# KiCad board OBC-Flight.kicad_pcb (continued)
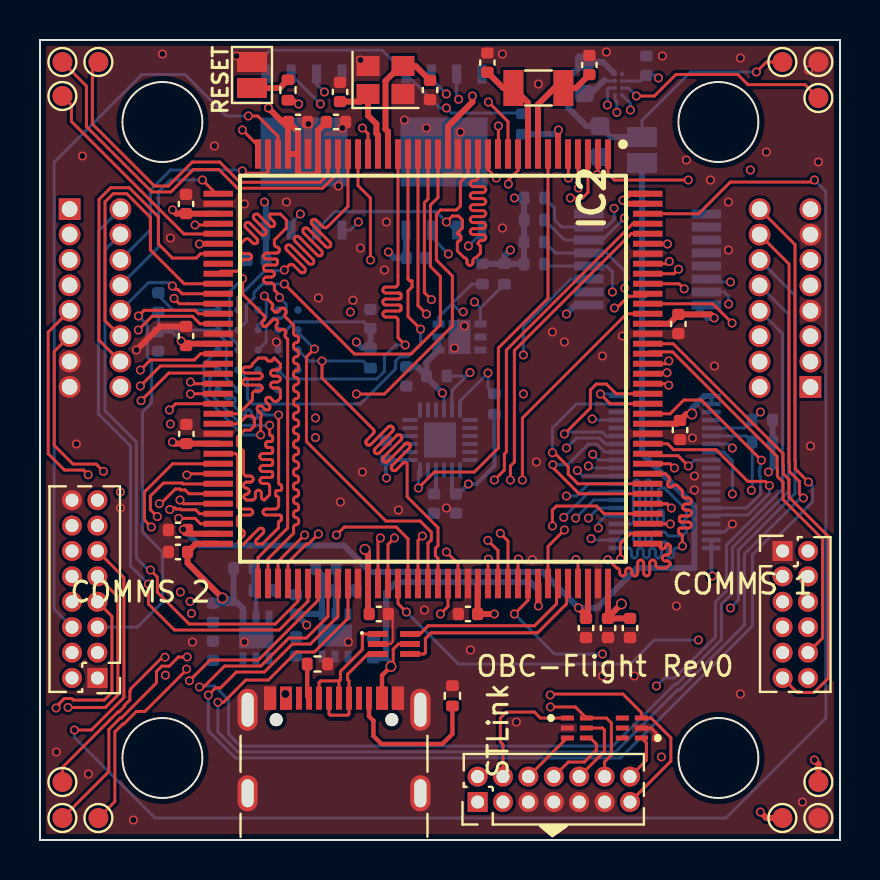
[diagram p0: board, top side]
## Routing (per net, layer and track width the routed paths; a pad name or vN(x,y) marks a point on that pad's centre or on a via; arc(x,y) is an arc through that point) (continued)
OCTOSPI_P1_NCS: length 27.3
  Top w0.15: IC2.91 19.9,14.08 19.77,14.21 19.77,14.59 19.9,14.72 19.9,15.62 18.36,17.16 18.36,18.81 18.28,18.88 18.22,18.88 18.17,18.86 18.15,18.84 17.82,18.51 17.8,18.49 17.74,18.47 17.68,18.47 17.63,18.49 17.61,18.51 17.59,18.53 17.56,18.59 17.56,18.65 17.59,18.7 17.61,18.72 18.47,19.59 18.49,19.61 18.52,19.67 18.52,19.73 18.49,19.78 18.47,19.8 18.45,19.82 18.4,19.84 18.34,19.84 18.28,19.82 18.26,19.8 17.39,18.94 17.37,18.92 17.32,18.89 17.26,18.89 17.2,18.92 17.18,18.94 17.16,18.96 17.14,19.01 17.14,19.07 17.16,19.13 17.18,19.15 18.05,20.01 18.07,20.04 18.09,20.09 18.09,20.15 18.07,20.2 18.05,20.23 18.03,20.25 17.97,20.27 17.91,20.27 17.86,20.25 17.84,20.23 16.97,19.36 16.95,19.34 16.89,19.32 16.83,19.32 16.78,19.34 16.76,19.36 16.74,19.38 16.71,19.44 16.71,19.5 16.74,19.55 16.76,19.57 17.62,20.44 17.64,20.46 17.67,20.51 17.67,20.57 17.64,20.63 17.62,20.65 17.6,20.67 17.55,20.69 17.49,20.69 17.43,20.67 17.41,20.65 16.55,19.78 16.52,19.76 16.47,19.74 16.41,19.74 16.36,19.76 16.33,19.78 16.31,19.81 16.29,19.86 16.29,19.92 16.31,19.97 16.33,20 16.66,20.32 16.68,20.34 16.7,20.4 16.7,20.46 16.68,20.51 16.66,20.54 14.1,23.1 v1(14.1,23.95)
  Bottom w0.15: IC6.A3 13.45,23.95 v1(14.1,23.95) 16.16,23.95 R19.2
OCTOSPI_P2_CLK: length 23.9
  Top w0.15: v1(20.32,30.9) 20.62,31.2 20.92,31.2 21.12,31 21.12,30.6 20.87,30.35 arc(20.89,30.28) 20.96,30.26 arc(21.02,30.23) 21.05,30.17 21.05,30.05 arc(21.02,29.98) 20.96,29.96 arc(20.89,29.93) 20.87,29.87 20.87,29.45 21.2,29.12 arc(21.31,29.08) 21.35,28.97 21.35,28.88 arc(21.39,28.77) 21.5,28.73 arc(21.61,28.77) 21.65,28.88 21.65,28.97 arc(21.69,29.08) 21.8,29.12 22.02,29.34 22.02,29.7 21.9,29.82 arc(21.94,29.93) 22.05,29.97 22.14,29.97 arc(22.25,30.01) 22.29,30.12 arc(22.25,30.23) 22.14,30.27 21.66,30.27 arc(21.55,30.31) 21.51,30.42 arc(21.55,30.53) 21.66,30.57 22.14,30.57 arc(22.25,30.61) 22.29,30.72 arc(22.25,30.83) 22.14,30.87 21.66,30.87 arc(21.55,30.91) 21.51,31.02 arc(21.55,31.13) 21.66,31.17 22.14,31.17 arc(22.25,31.21) 22.29,31.32 arc(22.25,31.43) 22.14,31.47 21.66,31.47 arc(21.55,31.51) 21.51,31.62 arc(21.55,31.73) 21.66,31.77 22.14,31.77 arc(22.25,31.81) 22.29,31.92 arc(22.25,32.03) 22.14,32.07 21.66,32.07 arc(21.55,32.11) 21.51,32.22 arc(21.55,32.33) 21.66,32.37 22.14,32.37 arc(22.25,32.41) 22.29,32.52 arc(22.25,32.63) 22.14,32.67 21.66,32.67 arc(21.55,32.71) 21.51,32.82 arc(21.55,32.93) 21.66,32.97 21.75,32.97 arc(21.86,33.01) 21.9,33.12 IC2.14
  Bottom w0.15: IC5.6 20.72,30.5 v1(20.32,30.9) 19.8,31.41 14.74,31.41 IC7.6
OCTOSPI_P2_IO0: length 15.8
  Top w0.15: IC2.10 23.9,33.48 23.42,33 v1(23.42,32.8)
  In3.Cu w0.15: v1(15.92,30.9) 16.32,31.3 arc(16.43,31.34) 16.53,31.3 16.65,31.18 arc(16.76,31.14) 16.86,31.18 arc(16.91,31.29) 16.86,31.39 16.74,31.51 arc(16.7,31.62) 16.74,31.72 arc(16.85,31.77) 16.96,31.72 17.08,31.6 arc(17.18,31.56) 17.29,31.6 arc(17.33,31.71) 17.29,31.82 17.17,31.94 arc(17.12,32.04) 17.17,32.15 17.52,32.5 arc(17.63,32.46) 17.67,32.35 17.67,32.18 arc(17.71,32.07) 17.82,32.03 arc(17.93,32.07) 17.97,32.18 17.97,32.35 arc(18.01,32.46) 18.12,32.5 arc(18.23,32.46) 18.27,32.35 18.27,32.18 arc(18.31,32.07) 18.42,32.03 arc(18.53,32.07) 18.57,32.18 18.57,32.35 arc(18.61,32.46) 18.72,32.5 arc(18.83,32.46) 18.87,32.35 18.87,32.18 arc(18.91,32.07) 19.02,32.03 arc(19.13,32.07) 19.17,32.18 19.17,32.35 arc(19.21,32.46) 19.32,32.5 arc(19.43,32.46) 19.47,32.35 19.47,32.18 arc(19.51,32.07) 19.62,32.03 arc(19.73,32.07) 19.77,32.18 19.77,32.35 arc(19.81,32.46) 19.92,32.5 arc(20.03,32.46) 20.07,32.35 20.07,32.18 arc(20.11,32.07) 20.22,32.03 arc(20.33,32.07) 20.37,32.18 20.37,32.35 arc(20.41,32.46) 20.52,32.5 23.12,32.5 v1(23.42,32.8)
  Bottom w0.15: IC7.5 15.52,30.5 v1(15.92,30.9)
OCTOSPI_P2_IO1: length 15.8
  Top w0.15: IC2.11 23.4,35.92 v1(22.42,36.9)
  In3.Cu w0.15: v1(22.42,36.9) 22.42,37.2 21.52,38.1 19.72,38.1 18.42,36.8 15.71,36.8 arc(15.61,36.84) 15.57,36.94 arc(15.53,37.04) 15.43,37.08 15.41,37.08 arc(15.31,37.04) 15.27,36.94 15.27,36.71 arc(15.24,36.64) 15.18,36.62 15.06,36.62 arc(15,36.64) 14.97,36.71 14.97,36.94 arc(14.93,37.04) 14.83,37.08 14.8,37.08 arc(14.7,37.04) 14.66,36.94 arc(14.62,36.84) 14.52,36.8 v1(14.02,36.8)
  Bottom w0.15: IC7.2 12.56,38.26 v1(14.02,36.8)
OCTOSPI_P2_IO2: length 15.8
  Top w0.15: v1(22.92,35.7) 22.92,34.32 IC2.12
  In3.Cu w0.15: v1(22.92,35.7) 22.92,37.2 21.72,38.4 19.52,38.4 18.52,37.4 17.87,37.4 arc(17.78,37.36) 17.74,37.28 arc(17.71,37.19) 17.62,37.16 17.57,37.16 arc(17.48,37.19) 17.45,37.28 17.45,37.52 arc(17.41,37.61) 17.32,37.64 17.27,37.64 arc(17.18,37.61) 17.15,37.52 17.15,37.28 arc(17.11,37.19) 17.02,37.16 16.97,37.16 arc(16.88,37.19) 16.84,37.28 16.84,37.52 arc(16.81,37.61) 16.72,37.64 16.67,37.64 arc(16.58,37.61) 16.55,37.52 16.55,37.28 arc(16.51,37.19) 16.42,37.16 16.37,37.16 arc(16.28,37.19) 16.24,37.28 16.24,37.52 arc(16.21,37.61) 16.12,37.64 16.06,37.64 arc(15.98,37.61) 15.94,37.52 arc(15.91,37.44) 15.82,37.4 v1(14.22,37.4)
  Bottom w0.15: v1(14.22,37.4) 13.83,37.79 IC7.3
OCTOSPI_P2_IO3: length 15.7
  Top w0.15: v1(22.82,33.1) 22.4,33.52 IC2.13
  In3.Cu w0.15: v1(22.82,33.1) 22.52,32.8 20.67,32.8 arc(20.62,32.82) 20.59,32.88 arc(20.57,32.93) 20.52,32.95 20.37,32.95 arc(20.32,32.93) 20.3,32.88 arc(20.27,32.82) 20.22,32.8 20.07,32.8 arc(20.02,32.82) 19.99,32.88 arc(19.97,32.93) 19.92,32.95 19.77,32.95 arc(19.72,32.93) 19.7,32.88 arc(19.67,32.82) 19.62,32.8 19.47,32.8 arc(19.42,32.82) 19.4,32.88 arc(19.37,32.93) 19.32,32.95 19.17,32.95 arc(19.12,32.93) 19.09,32.88 arc(19.07,32.82) 19.02,32.8 18.87,32.8 arc(18.82,32.82) 18.8,32.88 arc(18.77,32.93) 18.72,32.95 18.57,32.95 arc(18.52,32.93) 18.49,32.88 arc(18.47,32.82) 18.42,32.8 18.27,32.8 arc(18.22,32.82) 18.2,32.88 arc(18.17,32.93) 18.12,32.95 17.97,32.95 arc(17.92,32.93) 17.9,32.88 arc(17.87,32.82) 17.82,32.8 17.67,32.8 arc(17.62,32.82) 17.59,32.88 arc(17.57,32.93) 17.52,32.95 17.37,32.95 arc(17.32,32.93) 17.3,32.88 arc(17.27,32.82) 17.22,32.8 16.73,32.31 arc(16.68,32.29) 16.63,32.31 arc(16.57,32.34) 16.52,32.31 16.41,32.21 arc(16.39,32.15) 16.41,32.1 arc(16.44,32.05) 16.41,31.99 15.92,31.5 15.67,31.5 arc(15.62,31.52) 15.59,31.57 arc(15.57,31.63) 15.52,31.65 15.37,31.65 arc(15.32,31.63) 15.3,31.57 15.3,31.42 arc(15.27,31.37) 15.22,31.35 15.07,31.35 arc(15.02,31.37) 14.99,31.42 14.99,31.57 arc(14.97,31.63) 14.92,31.65 14.77,31.65 arc(14.72,31.63) 14.7,31.57 14.7,31.42 arc(14.67,31.37) 14.62,31.35 14.47,31.35 arc(14.42,31.37) 14.4,31.42 14.4,31.57 arc(14.37,31.63) 14.32,31.65 14.17,31.65 arc(14.12,31.63) 14.09,31.57 14.09,31.42 arc(14.07,31.37) 14.02,31.35 13.87,31.35 arc(13.82,31.37) 13.8,31.42 13.8,31.57 arc(13.77,31.63) 13.72,31.65 13.57,31.65 arc(13.52,31.63) 13.49,31.57 arc(13.47,31.52) 13.42,31.5 13.22,31.5 v1(13.02,31.3)
  Bottom w0.15: IC7.7 12.56,30.84 v1(13.02,31.3)
OCTOSPI_P2_IO4: length 29.1
  Top w0.15: v1(7.52,22.9) 7.61,22.81 IC2.56
  In3.Cu w0.15: v1(21.42,29.7) 20.72,30.4 15.92,30.4 12.75,27.23 arc(12.71,27.13) 12.75,27.02 12.88,26.89 arc(12.93,26.78) 12.88,26.68 arc(12.78,26.63) 12.67,26.68 12.54,26.81 arc(12.43,26.85) 12.33,26.81 arc(12.28,26.7) 12.33,26.6 12.46,26.47 arc(12.5,26.36) 12.46,26.25 arc(12.35,26.21) 12.25,26.25 11.85,26.65 arc(11.74,26.7) 11.63,26.65 arc(11.59,26.55) 11.63,26.44 12.03,26.04 arc(12.08,25.94) 12.03,25.83 arc(11.93,25.79) 11.82,25.83 11.35,26.3 arc(11.24,26.35) 11.14,26.3 arc(11.09,26.2) 11.14,26.09 11.27,25.96 arc(11.31,25.85) 11.27,25.75 11.02,25.5 11.02,25.2 arc(11.06,25.09) 11.17,25.05 11.2,25.05 arc(11.31,25.01) 11.35,24.9 arc(11.31,24.79) 11.2,24.75 11.17,24.75 arc(11.06,24.71) 11.02,24.6 arc(11.06,24.49) 11.17,24.45 11.35,24.45 arc(11.46,24.41) 11.5,24.3 arc(11.46,24.19) 11.35,24.15 11.17,24.15 arc(11.06,24.11) 11.02,24 10.77,23.75 arc(10.72,23.64) 10.77,23.54 10.9,23.41 arc(10.94,23.3) 10.9,23.19 arc(10.79,23.15) 10.69,23.19 10.56,23.32 arc(10.45,23.37) 10.34,23.32 arc(10.3,23.22) 10.34,23.11 10.47,22.98 arc(10.52,22.88) 10.47,22.77 arc(10.37,22.73) 10.26,22.77 10.13,22.9 arc(10.03,22.94) 9.92,22.9 9.47,22.9 arc(9.36,22.86) 9.32,22.75 9.32,22.57 arc(9.28,22.46) 9.17,22.42 arc(9.06,22.46) 9.02,22.57 9.02,22.99 arc(8.99,23.05) 8.93,23.08 8.81,23.08 arc(8.75,23.05) 8.72,22.99 8.72,22.57 arc(8.68,22.46) 8.57,22.42 arc(8.46,22.46) 8.42,22.57 8.42,22.99 arc(8.39,23.05) 8.33,23.08 8.2,23.08 arc(8.13,23.05) 8.11,22.99 arc(8.08,22.93) 8.02,22.9 v1(7.52,22.9)
  Bottom w0.15: 22.1,30.5 22.1,30.38 v1(21.42,29.7)
OCTOSPI_P2_IO5: length 29.6
  Top w0.15: v1(7.52,22.3) 7.53,22.31 IC2.57
  In3.Cu w0.15: v1(20.32,37.3) 20.07,37.05 arc(19.96,37.01) 19.86,37.05 19.64,37.27 arc(19.53,37.31) 19.43,37.27 arc(19.38,37.16) 19.43,37.06 19.65,36.84 arc(19.69,36.73) 19.65,36.63 18.12,35.1 12.12,35.1 10.72,33.7 10.72,24.2 9.92,23.4 7.22,23.4 7.02,23.2 7.02,22.6 7.32,22.3 v1(7.52,22.3)
  Bottom w0.15: 19.56,38.3 19.56,38.05 v1(20.32,37.3)
OCTOSPI_P2_IO6: length 29.1
  Top w0.15: IC2.125 31.37,22.81 v1(31.44,22.74)
  In3.Cu w0.15: v1(20.93,37.04) 21.2,36.77 21.2,36.72 arc(21.27,36.69) 21.34,36.72 arc(21.42,36.75) 21.49,36.72 21.55,36.66 arc(21.58,36.58) 21.55,36.51 arc(21.52,36.44) 21.55,36.37 21.62,36.3 arc(21.73,36.26) 21.83,36.3 21.99,36.46 arc(22.1,36.5) 22.2,36.46 arc(22.25,36.35) 22.2,36.25 22.04,36.09 arc(22,35.98) 22.04,35.88 arc(22.12,35.84) 22.19,35.88 arc(22.26,35.91) 22.34,35.88 22.4,35.81 arc(22.43,35.74) 22.4,35.66 arc(22.37,35.59) 22.4,35.52 22.72,35.2 arc(22.81,35.17) 22.9,35.2 arc(22.99,35.24) 23.08,35.2 23.11,35.17 arc(23.15,35.08) 23.11,34.99 arc(23.07,34.9) 23.11,34.81 23.14,34.78 arc(23.25,34.74) 23.35,34.78 23.58,35.01 arc(23.69,35.05) 23.79,35.01 arc(23.84,34.9) 23.79,34.8 23.57,34.57 arc(23.52,34.46) 23.57,34.35 arc(23.67,34.31) 23.78,34.35 24.01,34.58 arc(24.11,34.63) 24.22,34.58 arc(24.26,34.48) 24.22,34.37 23.99,34.14 arc(23.95,34.04) 23.99,33.93 arc(24.1,33.89) 24.2,33.93 24.43,34.16 arc(24.54,34.2) 24.64,34.16 arc(24.69,34.05) 24.64,33.95 24.41,33.72 arc(24.37,33.61) 24.41,33.51 arc(24.52,33.46) 24.63,33.51 24.86,33.74 arc(24.96,33.78) 25.07,33.74 arc(25.11,33.63) 25.07,33.52 24.84,33.29 arc(24.79,33.19) 24.84,33.08 arc(24.94,33.04) 25.05,33.08 25.28,33.31 arc(25.39,33.36) 25.49,33.31 arc(25.54,33.21) 25.49,33.1 25.26,32.87 arc(25.22,32.76) 25.26,32.66 arc(25.37,32.61) 25.47,32.66 25.7,32.89 arc(25.81,32.93) 25.92,32.89 arc(25.96,32.78) 25.92,32.68 25.69,32.45 arc(25.64,32.34) 25.69,32.23 30.62,27.3 30.62,27.24 31.65,26.21 31.71,26.21 32.02,25.9 32.02,23.32 v1(31.44,22.74)
  Bottom w0.15: IC5.3 20.84,37.13 v1(20.93,37.04)
OCTOSPI_P2_IO7: length 29.6
  Top w0.15: v1(31.35,23.36) 31.3,23.31 IC2.126
  In3.Cu w0.15: v1(20.42,29.3) 20.72,29 arc(20.82,28.96) 20.93,29 arc(21.03,29.04) 21.14,29 21.14,28.99 arc(21.19,28.89) 21.14,28.79 20.93,28.58 arc(20.89,28.47) 20.93,28.37 20.94,28.37 arc(21.04,28.32) 21.15,28.37 21.35,28.57 arc(21.46,28.62) 21.56,28.57 21.57,28.57 arc(21.61,28.47) 21.57,28.36 21.36,28.15 arc(21.31,28.05) 21.36,27.94 21.36,27.94 arc(21.47,27.9) 21.57,27.94 21.78,28.15 arc(21.88,28.19) 21.99,28.15 21.99,28.15 arc(22.03,28.04) 21.99,27.94 21.78,27.73 arc(21.74,27.62) 21.78,27.52 21.79,27.52 arc(21.89,27.47) 21.99,27.52 22.2,27.73 arc(22.31,27.77) 22.41,27.73 22.42,27.72 arc(22.46,27.62) 22.42,27.51 22.21,27.3 arc(22.16,27.2) 22.21,27.1 22.21,27.09 arc(22.31,27.05) 22.42,27.09 22.63,27.3 arc(22.73,27.34) 22.84,27.3 22.84,27.3 arc(22.88,27.19) 22.84,27.09 22.63,26.88 arc(22.59,26.78) 22.63,26.67 22.63,26.67 arc(22.74,26.62) 22.84,26.67 23.05,26.88 arc(23.16,26.92) 23.26,26.88 23.26,26.87 arc(23.31,26.77) 23.26,26.66 23.06,26.46 arc(23.01,26.35) 23.06,26.25 23.06,26.24 arc(23.16,26.2) 23.27,26.24 23.48,26.45 arc(23.58,26.5) 23.69,26.45 23.69,26.45 arc(23.73,26.35) 23.69,26.24 23.48,26.03 arc(23.44,25.93) 23.48,25.82 23.48,25.82 arc(23.59,25.78) 23.69,25.82 23.9,26.03 arc(24,26.07) 24.11,26.03 24.11,26.03 arc(24.16,25.92) 24.11,25.82 23.9,25.61 arc(23.86,25.5) 23.9,25.4 23.91,25.4 arc(24.01,25.35) 24.12,25.4 24.32,25.6 arc(24.43,25.65) 24.53,25.6 24.54,25.6 arc(24.58,25.5) 24.54,25.39 24.33,25.18 arc(24.28,25.08) 24.33,24.97 24.33,24.97 arc(24.44,24.93) 24.54,24.97 24.75,25.18 arc(24.85,25.22) 24.96,25.18 24.96,25.18 arc(25,25.07) 24.96,24.97 24.75,24.76 arc(24.71,24.65) 24.75,24.55 24.76,24.55 arc(24.86,24.5) 24.96,24.55 25.17,24.76 arc(25.28,24.8) 25.38,24.76 25.39,24.75 arc(25.43,24.65) 25.39,24.54 25.18,24.33 arc(25.13,24.23) 25.18,24.13 25.18,24.12 arc(25.28,24.08) 25.39,24.12 25.6,24.33 arc(25.7,24.37) 25.81,24.33 25.81,24.33 arc(25.85,24.22) 25.81,24.12 25.6,23.91 arc(25.56,23.81) 25.6,23.7 25.6,23.7 arc(25.71,23.66) 25.81,23.7 26.02,23.91 arc(26.13,23.95) 26.23,23.91 26.23,23.9 arc(26.28,23.8) 26.23,23.69 arc(26.19,23.59) 26.23,23.49 26.36,23.36 26.71,23.36 arc(26.81,23.4) 26.86,23.51 arc(26.9,23.61) 27,23.66 27.01,23.66 arc(27.12,23.61) 27.16,23.51 27.16,23.21 arc(27.2,23.11) 27.31,23.07 27.31,23.07 arc(27.42,23.11) 27.46,23.21 27.46,23.51 arc(27.5,23.61) 27.61,23.66 27.61,23.66 arc(27.72,23.61) 27.76,23.51 27.76,23.21 arc(27.8,23.11) 27.91,23.07 27.91,23.07 arc(28.02,23.11) 28.06,23.21 28.06,23.51 arc(28.1,23.61) 28.21,23.66 28.21,23.66 arc(28.32,23.61) 28.36,23.51 arc(28.4,23.4) 28.51,23.36 v1(31.35,23.36)
  Bottom w0.15: 19.56,30.5 19.56,30.15 v1(20.42,29.3)
OCTOSPI_P2_NCS: length 33.9
  Top w0.15: IC2.127 31.3,23.81 v1(31.44,23.95)
  In3.Cu w0.15: v1(20.32,36.6) 20.72,36.6 29.28,28.04 29.42,28.04 29.69,27.78 29.69,25.71 v1(31.44,23.95)
  Bottom w0.15: R20.2 24.08,36.35 20.57,36.35 v1(20.32,36.6) 19.99,36.6 IC5.1 17.11,39.49 11.51,39.49 11.29,39.27 IC7.1
PC14-OSC32-IN: length 5.7
  Top w0.3: C24.1 26.8,37.6 Y3.2 25.72,37.6 24.9,36.78 IC2.8
PC15-OSC32-OUT: length 5.2
  Top w0.3: IC2.9 24.4,36.87 Y3.1 23.16,37.6 C25.1
PE7: length 28.6
  Top w0.15: IC2.58 6.78,21.81 v1(6.47,21.5) ; TP4.1 3.44,3.42 3.44,5.53 4.02,6.1 4.07,6.1 5.82,7.86 5.82,8.43 6.09,8.69 6.46,8.69 6.92,9.15 v1(7.36,9.15)
  In3.Cu w0.15: v1(7.36,9.15) 6.52,9.99 6.52,12.6 9.02,15.1 9.02,19.2 6.72,21.5 v1(6.47,21.5)
PE12: length 23.2
  Top w0.15: TP5.1 3.74,1.92 3.74,5.4 4.14,5.8 4.19,5.8 4.82,6.43 5.25,6.43 7.33,8.51 v1(7.33,8.54) ; IC2.65 7.4,18.31 v1(7.34,18.25)
  In3.Cu w0.15: v1(7.34,18.25) 7.67,18.25 8.72,17.2 8.72,15.3 6.22,12.8 6.22,9.65 6.28,9.59 6.44,9.59 6.7,9.33 6.7,9.17 v1(7.33,8.54)
PE15: length 19.9
  Top w0.15: v1(7,17) 7.18,16.81 IC2.68 ; v1(6.25,9.14) 6.11,9.14 4.52,7.55 4.52,7.45 4.49,7.43 4.49,7 4.22,6.73 4.22,6.68 3.94,6.4 3.89,6.4 1.12,3.63 TP6.1
  In3.Cu w0.15: v1(7,17) 8.22,15.77 8.22,15.3 5.92,13 5.92,9.47 v1(6.25,9.14)
PH0-OSC-IN: length 6.5
  Top w0.3: C22.1 18.78,38.7 Y1.3 18.02,38.7 17.27,37.95 17.27,35.55 17.4,35.42 IC2.23
PH1-OSC-OUT: length 4.8
  Top w0.3: C23.1 16.02,36.92 Y1.1 16.4,36.22 16.82,35.8 16.82,35.34 16.9,35.26 IC2.24
PSRAM_RST: length 16.8
  Top w0.15: IC2.90 19.4,14.84 19.57,15.01 19.57,15.39 19.01,15.95 17.29,15.95 13.32,19.92 13.32,24.15 v1(13.72,24.55)
  Bottom w0.15: v1(13.72,24.55) 12.9,25.37 IC6.A4
PWM1(1): length 29.8
  Top w0.15: IC2.134 30.26,27.19 29.43,27.19 28.84,26.6 v1(28.72,26.6)
  In5.Cu w0.15: J5.16 4.02,21.89 4.39,21.52 5.84,21.52 6.32,22 6.82,22 6.97,21.85 8.27,21.85 9.22,22.8 24.92,22.8 v1(28.72,26.6)
PWM1(2): length 15.7
  Top w0.15: IC2.46 7.21,27.81 5.52,29.5 5.52,31.13 4.34,32.31 3.66,32.31 3.25,31.91 3.25,25.96 4.02,25.2
PWM1(3): length 65.4
  Top w0.15: v1(8.42,7.25) 8.78,7.61 9.03,7.61 9.82,8.4 11.22,8.4 12.62,9.8 13.52,9.8 14.9,11.18 IC2.81 ; J8.16 37.75,29.77 37.75,18.98 37.77,18.96 37.77,18.55 v1(38.42,17.9)
  Bottom w0.15: v1(8.42,7.25) 8.42,5.46 9.77,4.1 29.02,4.1 35.62,10.7 35.62,14.28 36.54,15.2 36.92,15.2 38.62,16.9 38.62,17.7 v1(38.42,17.9)
PWM1(4): length 30.7
  Top w0.15: v1(17.72,15.1) 17.4,14.78 IC2.86
  In5.Cu w0.15: v1(17.72,15.1) 16.62,16.2 11.32,16.2 8.22,19.3 3.75,19.3 0.71,22.34 0.71,29.51 1.48,30.27
PWM1(5): length 23.4
  Top w0.15: 1.48,25.2 0.71,24.43 0.71,19.73 1.64,18.8 2.81,18.8 v1(3.17,18.43) ; v1(13.23,15.25) 11.9,13.92 IC2.75
  In5.Cu w0.15: v1(3.17,18.43) 3.45,18.7 7.6,18.7 7.8,18.5 7.92,18.5 11.17,15.25 v1(13.23,15.25)
PWM2(1): length 17.1
  Top w0.15: J5.14 2.95,24.99 2.95,32.03 3.53,32.61 4.46,32.61 5.92,31.16 5.92,29.8 6.62,29.1 7.81,29.1 8.02,29.31 IC2.43
PWM2(2): length 5.7
  Top w0.15: IC2.47 7.11,27.31 6.89,27.53 6.79,27.53 v1(6.62,27.7)
  Bottom w0.15: J5.10 5.42,27.86 6.45,27.86 v1(6.62,27.7)
PWM2(3): length 62.6
  Top w0.15: IC2.82 15.4,11.08 13.72,9.4 12.82,9.4 11.42,8 10.29,8 9.18,6.89 v1(8.9,6.89) ; J8.14 37.45,28.8 37.45,18.85 37.47,18.83 37.47,18.43 37.97,17.93 37.97,17.3 v1(38.17,17.1)
  Bottom w0.15: v1(38.17,17.1) 38.02,17.1 35.22,14.3 35.22,10.75 31.97,7.5 31.87,7.5 28.77,4.4 9.9,4.4 8.9,5.4 v1(8.9,6.89)
PWM2(4): length 31.7
  Top w0.15: IC2.85 16.9,14.98 v1(17.02,15.1)
  In5.Cu w0.15: v1(17.02,15.1) 16.22,15.9 11.02,15.9 7.92,19 3.62,19 0.41,22.21 0.41,30.48 J5.01
PWM2(5): length 30.2
  Top w0.15: IC2.76 12.4,13.88 13.32,14.8 13.42,14.8 v1(13.92,15.3)
  In3.Cu w0.15: v1(13.92,15.3) 14.32,15.7 15.92,15.7 20.22,15.7 21.92,17.4 21.92,20.05 v1(24.17,22.3)
  In5.Cu w0.15: v1(24.17,22.3) 24.84,22.3 25.29,22.75 29.19,22.75 29.65,22.29 35.62,22.29 J8.02
PWR_CSLEEP: length 18.4
  Top w0.15: IC2.29 14.4,33.28 14.01,32.89 10,32.89 8.99,33.9 7.62,33.9 6.42,32.7 5.72,32.7 2.62,35.8 2.62,38.6 TP2.1
PWR_CSTOP: length 19.8
  Top w0.15: IC2.28 14.9,33.36 14.13,32.59 9.87,32.59 8.94,33.52 7.67,33.52 6.54,32.4 5.6,32.4 2.32,35.68 2.32,37.7 TP1.1
PWR_NDSTOP2: length 11.1
  Top w0.15: IC2.41 8.9,30.3 7.2,30.3 1.57,35.93 1.57,36.75 TP3.1
R1_IO0: length 52.8
  Top w0.15: v1(10.12,35.5) 10.9,34.72 IC2.36
  In3.Cu w0.15: J3.6 39.13,12.63 39.13,17.99 36.75,20.37 36.75,32.27 v1(35.52,33.5)
  In5.Cu w0.15: v1(10.12,35.5) 10.92,34.7 19.72,34.7 22.92,31.5 26.72,31.5 28.72,33.5 v1(35.52,33.5)
R1_IO1: length 19.1
  Top w0.15: IC2.92 20.4,11.68 v1(20.02,11.3)
  In5.Cu w0.15: v1(20.02,11.3) 20.68,10.64 J3.7
R1_IO2: length 27.3
  Top w0.15: IC2.93 20.9,13.82 v1(20.32,14.4)
  In5.Cu w0.15: J3.8 39.42,11.66 39.42,14.9 38.85,15.47 35.99,15.47 34.22,13.7 33.42,13.7 32.92,13.2 21.52,13.2 v1(20.32,14.4)
R1_IO3: length 16.1
  Top w0.15: v1(23.72,11.3) 24.4,11.98 IC2.100
  In5.Cu w0.15: J3.9 28.19,9.37 v1(28.12,9.3)
  Bottom w0.15: v1(28.12,9.3) 25.72,9.3 v1(23.72,11.3)
R1_IO4: length 19.7
  Top w0.15: J3.10 39.13,10.09 39.13,15.05 37.15,17.02 37.15,17.9 36.87,18.18 36.87,18.59 36.85,18.6 36.85,19.18 31.63,24.4 30.48,24.4 IC2.128
R1_IO5: length 24.1
  Top w0.15: J3.11 37.85,7.38 38.7,7.38 39.42,8.1 39.42,15.17 37.45,17.14 37.45,18.02 37.17,18.3 37.17,18.71 37.15,18.73 37.15,19.32 31.66,24.81 IC2.129
R2_IO0: length 38.8
  Top w0.15: v1(10.42,36.2) 10.89,36.2 11.9,35.19 IC2.34
  Bottom w0.15: v1(10.42,36.2) 9.32,36.2 7.24,38.28 5.1,38.28 0.71,33.89 0.71,11.53 J4.6
R2_IO1: length 53.2
  Top w0.15: v1(0.8,6.6) 0.95,6.75 0.95,6.81 1.22,7.08 1.59,7.08 1.67,7 3.22,7 3.59,7.38 3.59,11.18 J4.7 ; v1(24.12,18) 24.12,21.1 29.33,26.31 IC2.132
  In3.Cu w0.15: v1(0.8,6.6) 0.8,6.59 1.22,6.18 2.92,6.18 3.22,6.48 3.97,6.48 4.09,6.6 6.99,6.6 10.13,3.46 14.08,3.46 21.22,10.6 21.22,13.82 21.37,13.97 21.37,14.75 24.12,17.5 v1(24.12,18)
R2_IO2: length 48.6
  Top w0.15: v1(15.82,22.3) 17.22,22.3 20.62,25.7 20.62,28.2 19.82,29 19.82,31.3 20.02,31.5 20.82,31.5 21.02,31.7 21.02,32.9 21.32,33.2 21.4,33.2 IC2.15
  In3.Cu w0.15: v1(15.82,22.3) 15.82,19 9.66,12.83 9.66,6.63 9.46,6.44 8.55,6.44 7.69,7.3 7.56,7.3 7.36,7.5 7.29,7.5 7.09,7.7 3.92,7.7 3.59,7.38 2.85,7.38 1.3,7.38 0.88,7.8 0.88,11.18 J4.8
R2_IO3: length 56.9
  Top w0.15: J4.9 3.89,12.16 3.89,7.25 3.27,6.63 v1(1.4,6.63) ; v1(23.52,18) 23.52,18.7 23.72,18.9 23.72,24.48 29.56,30.31 IC2.140
  In3.Cu w0.15: v1(1.4,6.63) 1.55,6.48 2.8,6.48 3.1,6.78 3.84,6.78 3.97,6.9 7.11,6.9 7.31,6.7 7.44,6.7 10.19,3.95 14.07,3.95 20.92,10.8 20.92,13.94 21.07,14.09 21.07,14.71 20.94,14.84 23.52,17.42 v1(23.52,18)
R2_IO4: length 53.9
  Top w0.15: v1(22.72,18) 23.22,18.5 23.22,19.3 23.32,19.4 23.32,24.5 29.63,30.81 IC2.141
  In3.Cu w0.15: J4.10 0.58,12.16 0.58,7.68 1.18,7.08 1.59,7.08 1.59,7.08 3.72,7.08 3.84,7.2 7.24,7.2 7.44,7 7.57,7 9.33,5.24 14.94,5.24 20.62,10.92 20.62,14.06 20.77,14.21 20.77,14.59 20.62,14.74 20.62,15 22.72,17.1 v1(22.72,18)
R2_IO5: length 88.9
  Top w0.15: v1(38.72,33) 38.62,32.9 34.52,32.9 32.93,31.31 IC2.142 ; J4.11 4.19,13.13 4.19,7.13 2.57,5.5 v1(1.72,5.5)
  Bottom w0.15: v1(1.72,5.5) 1.72,5.13 5.75,1.1 34.29,1.1 39.29,6.1 39.29,32.43 v1(38.72,33)
SAT_REST: length 42
  Top w0.15: v1(5.02,23.5) 5.52,24 7.71,24 8.02,24.31 IC2.53
  In2.Cu w0.15: v1(5.02,23.5) 5.5,23.02 5.5,21.82 v1(6.52,20.8)
  In5.Cu w0.15: J8.05 37.72,24.39 37.72,23.3 36.27,21.85 20.94,21.85 20.9,21.8 8.72,21.8 7.72,20.8 v1(6.52,20.8)
SCL(1): length 43.4
  In5.Cu w0.15: v1(28.7,31.58) 27.8,31.58 24.22,28 19.12,28 16.82,25.7 7.22,25.7 5.72,27.2 5.72,32.3 5.41,32.61 2.93,32.61 2.25,31.93 2.25,29.77 J5.05
  Bottom w0.15: R1.2 25.73,31.6 25.73,30.99 26.07,30.65 IC3.7 28.33,30.65 28.7,31.02 v1(28.7,31.58)
SCL(2): length 12.6
  In5.Cu w0.15: J8.06 33.53,25.19 31.13,27.59 v1(29.24,27.59)
  Bottom w0.15: v1(29.24,27.59) 29.24,28.44 28.33,29.35 IC3.5 ; 26.84,29.35 25.77,29.35 R4.2
SDA(1): length 44.4
  In5.Cu w0.15: 1.48,27.73 2.55,28.8 2.55,31.73 3.13,32.31 5.28,32.31 5.42,32.18 5.42,27.08 7.1,25.4 17.02,25.4 19.12,27.5 24.22,27.5 27.82,31.1 v1(29.22,31.1)
  Bottom w0.15: v1(29.22,31.1) 28.12,30 IC3.6 26.23,30 R2.2
SDA(2): length 12.8
  In5.Cu w0.15: v1(28.62,27.4) 29.02,27 31.3,27 34.38,23.92 J8.04
  Bottom w0.15: IC3.4 28.33,28.7 28.62,28.41 v1(28.62,27.4) ; R3.2 25.32,28.7 26.84,28.7
SPI4_MISO: length 42.6
  Top w0.15: v1(5.87,16.17) 5.52,16.52 5.52,17.2 6.17,17.85 7.11,17.85 7.16,17.8 8.9,17.8 IC2.66
  In5.Cu w0.15: J3.4 39.13,13.9 39.13,14.75 38.7,15.17 36.23,15.17 33.81,12.75 10.07,12.75 7.74,15.08 6.95,15.08 v1(5.87,16.17)
SPI4_MOSI: length 40.4
  Top w0.15: v1(5.97,16.82) 6.04,16.82 6.77,17.55 6.99,17.55 7.03,17.5 7.25,17.5 7.44,17.31 IC2.67
  In5.Cu w0.15: J3.5 36.37,11.15 24.53,11.15 23.68,12 10.52,12 10.01,11.49 8.57,11.49 4.77,15.29 4.77,15.99 5.6,16.82 v1(5.97,16.82)
SPI4_NSS: length 39.5
  Top w0.15: v1(5.57,15.65) 5.22,16 5.22,17.4 6.63,18.81 IC2.64
  In5.Cu w0.15: J3.3 36.25,12.3 10.08,12.3 7.78,14.6 6.62,14.6 v1(5.57,15.65)
SPI4_SCK: length 26.4
  Top w0.15: IC2.1 28.4,33.32 28.72,33 v1(32.42,33)
  In3.Cu w0.15: v1(32.42,33) 32.12,32.7 32.12,31 35.05,28.07 35.05,22.43 35.42,22.07 35.42,18.7 36.02,18.1 36.02,17.54 38.4,15.16 J3.2
SPI5_MISO: length 39.3
  Top w0.15: v1(19.32,26.3) 18.9,26.72 IC2.20
  In3.Cu w0.15: v1(7.57,11.33) 7.57,11.34 14.82,18.59 14.82,22.4 18.72,26.3 v1(19.32,26.3)
  In5.Cu w0.15: J4.4 0.88,8.64 0.88,7.64 1.44,7.08 3.69,7.08 5.78,9.16 5.78,9.23 5.8,9.26 5.8,9.33 7.57,11.1 v1(7.57,11.33)
SPI5_MOSI: length 23.1
  Top w0.15: v1(4.92,26.2) 5.2,26.48 7.75,26.48 7.92,26.31 IC2.49
  Bottom w0.15: J4.5 4.86,10.64 6.12,11.9 6.12,14.4 5.12,15.4 5.12,21.4 5.58,21.85 5.58,23.93 5.37,24.15 5.37,25.75 v1(4.92,26.2)
SPI5_NSS: length 31.6
  Top w0.15: v1(16.52,29) 16.52,32.1 15.9,32.72 IC2.26
  In3.Cu w0.15: v1(16.52,29) 14.82,27.3 14.82,23.32 14.22,22.72 14.22,19.5 7.12,12.4 v1(7.02,12.4)
  In5.Cu w0.15: v1(7.02,12.4) 3.99,9.37 J4.3
SPI5_SCK: length 36.8
  Top w0.15: IC2.19 19.4,32.05 19.22,31.87 19.22,27.37 v1(19.57,27.02)
  In3.Cu w0.15: v1(7.5,11.93) 14.52,18.95 14.52,22.6 18.94,27.02 v1(19.57,27.02)
  In5.Cu w0.15: v1(7.5,11.93) 7.42,11.85 7.42,11.83 5.48,9.88 5.48,9.31 3.54,7.38 1.62,7.38 1.6,7.39 J4.2
SWCLK: length 28.5
  Top w0.15: IC11.3 26.35,5.1 J2.6 ; v1(28.39,14.01) 28.42,14.01 28.83,13.6 arc(28.94,13.56) 28.98,13.45 28.98,13.35 arc(29.03,13.24) 29.13,13.2 arc(29.24,13.24) 29.28,13.35 29.28,13.45 arc(29.33,13.56) 29.43,13.6 arc(29.54,13.56) 29.58,13.45 29.58,13.35 arc(29.63,13.24) 29.73,13.2 arc(29.84,13.24) 29.88,13.35 29.88,13.85 arc(29.93,13.96) 30.03,14 arc(30.14,13.96) 30.18,13.85 30.18,13.35 arc(30.23,13.24) 30.33,13.2 arc(30.44,13.24) 30.48,13.35 30.48,13.85 arc(30.53,13.96) 30.63,14 arc(30.74,13.96) 30.78,13.85 30.78,13.75 arc(30.83,13.64) 30.93,13.6 31.32,13.6 31.52,13.8 arc(31.48,13.91) 31.37,13.95 31.27,13.95 arc(31.16,13.99) 31.12,14.1 arc(31.16,14.21) 31.27,14.25 31.37,14.25 arc(31.48,14.29) 31.52,14.4 31.52,14.7 31.41,14.81 arc(31.32,14.78) 31.28,14.69 arc(31.25,14.6) 31.16,14.56 31.11,14.56 arc(31.02,14.6) 30.98,14.69 arc(30.95,14.78) 30.86,14.81 IC2.109
  In3.Cu w0.15: v1(28.39,14.01) 28.39,13.97 27.95,13.53 arc(27.89,13.5) 27.84,13.53 arc(27.79,13.55) 27.73,13.53 27.63,13.42 arc(27.61,13.37) 27.63,13.31 27.73,13.21 arc(27.76,13.16) 27.73,13.1 27.63,13 arc(27.58,12.97) 27.52,13 27.42,13.1 arc(27.36,13.12) 27.31,13.1 27.2,13 arc(27.18,12.94) 27.2,12.89 27.31,12.78 arc(27.33,12.73) 27.31,12.68 27.2,12.57 arc(27.15,12.55) 27.1,12.57 arc(27.04,12.59) 26.99,12.57 26.89,12.47 arc(26.86,12.41) 26.89,12.36 arc(26.91,12.31) 26.89,12.25 26.78,12.15 arc(26.73,12.13) 26.67,12.15 arc(26.62,12.17) 26.57,12.15 26.32,11.9 26.32,11.57 arc(26.34,11.52) 26.4,11.49 arc(26.45,11.47) 26.47,11.42 26.47,11.27 arc(26.45,11.22) 26.4,11.2 arc(26.34,11.17) 26.32,11.12 26.32,10.97 arc(26.34,10.92) 26.4,10.89 arc(26.45,10.87) 26.47,10.82 26.47,10.67 arc(26.45,10.62) 26.4,10.59 arc(26.34,10.57) 26.32,10.52 26.32,10.37 arc(26.34,10.32) 26.4,10.29 arc(26.45,10.27) 26.47,10.22 26.47,10.07 arc(26.45,10.02) 26.4,9.99 arc(26.34,9.97) 26.32,9.92 26.32,9.77 arc(26.34,9.72) 26.4,9.7 arc(26.45,9.67) 26.47,9.62 26.47,9.47 arc(26.45,9.42) 26.4,9.39 arc(26.34,9.37) 26.32,9.32 26.32,9.17 arc(26.34,9.12) 26.4,9.09 arc(26.45,9.07) 26.47,9.02 26.47,8.87 arc(26.45,8.82) 26.4,8.79 arc(26.34,8.77) 26.32,8.72 26.32,8.57 arc(26.34,8.52) 26.4,8.49 arc(26.45,8.47) 26.47,8.42 26.47,8.27 arc(26.45,8.22) 26.4,8.2 arc(26.34,8.17) 26.32,8.12 26.32,7.97 arc(26.34,7.92) 26.4,7.89 arc(26.45,7.87) 26.47,7.82 26.47,7.67 arc(26.45,7.62) 26.4,7.59 arc(26.34,7.57) 26.32,7.52 26.32,7.37 arc(26.34,7.32) 26.4,7.29 arc(26.45,7.27) 26.47,7.22 26.47,7.07 arc(26.45,7.02) 26.4,6.99 arc(26.34,6.97) 26.32,6.92 26.32,6.77 arc(26.34,6.72) 26.4,6.7 arc(26.45,6.67) 26.47,6.62 26.47,6.47 arc(26.45,6.42) 26.4,6.39 arc(26.34,6.37) 26.32,6.32 26.32,6.17 arc(26.34,6.12) 26.4,6.09 arc(26.45,6.07) 26.47,6.02 26.47,5.87 arc(26.45,5.82) 26.4,5.79 26.24,5.79 arc(26.19,5.77) 26.17,5.72 26.17,5.57 arc(26.19,5.52) 26.24,5.49 arc(26.3,5.47) 26.32,5.42 26.32,5.07 26.14,4.89 arc(26.12,4.84) 26.14,4.78 arc(26.16,4.73) 26.14,4.68 26.03,4.57 arc(25.98,4.55) 25.93,4.57 25.82,4.68 arc(25.77,4.7) 25.72,4.68 25.61,4.57 arc(25.59,4.52) 25.61,4.47 25.72,4.36 arc(25.74,4.31) 25.72,4.25 25.61,4.15 arc(25.56,4.13) 25.5,4.15 25.4,4.25 arc(25.34,4.28) 25.29,4.25 25.19,4.15 25.19,4.15 arc(25.16,4.09) 25.19,4.04 arc(25.21,3.99) 25.19,3.93 J2.6
SWDIO: length 29
  Top w0.15: v1(26.8,14.02) 26.9,13.92 IC2.105 ; J2.4 23.15,4.77 23.02,4.9 23.02,6.1 23.32,6.4 24.72,6.4 25.02,6.1 IC11.1
  In3.Cu w0.15: v1(26.8,14.02) 26.8,13.75 arc(26.84,13.65) 26.95,13.6 27,13.6 arc(27.1,13.56) 27.15,13.45 arc(27.1,13.35) 27,13.3 26.67,13.3 arc(26.58,13.27) 26.55,13.18 26.55,13.13 arc(26.58,13.04) 26.67,13 arc(26.76,12.97) 26.8,12.88 26.02,12.1 26.02,11.79 arc(25.99,11.72) 25.92,11.69 arc(25.85,11.66) 25.82,11.59 25.82,11.49 arc(25.85,11.42) 25.92,11.39 arc(25.99,11.36) 26.02,11.29 26.02,11.19 arc(25.99,11.12) 25.92,11.09 arc(25.85,11.06) 25.82,10.99 25.82,10.89 arc(25.85,10.82) 25.92,10.79 arc(25.99,10.76) 26.02,10.69 26.02,10.59 arc(25.99,10.52) 25.92,10.49 arc(25.85,10.46) 25.82,10.39 25.82,10.29 arc(25.85,10.22) 25.92,10.19 arc(25.99,10.16) 26.02,10.09 26.02,9.99 arc(25.99,9.92) 25.92,9.89 arc(25.85,9.86) 25.82,9.79 25.82,9.69 arc(25.85,9.62) 25.92,9.59 arc(25.99,9.56) 26.02,9.49 26.02,9.39 arc(25.99,9.32) 25.92,9.29 arc(25.85,9.26) 25.82,9.19 25.82,9.09 arc(25.85,9.02) 25.92,8.99 arc(25.99,8.96) 26.02,8.89 26.02,8.79 arc(25.99,8.72) 25.92,8.69 arc(25.85,8.66) 25.82,8.59 25.82,8.49 arc(25.85,8.42) 25.92,8.39 arc(25.99,8.36) 26.02,8.29 26.02,8.19 arc(25.99,8.12) 25.92,8.09 arc(25.85,8.06) 25.82,7.99 25.82,7.89 arc(25.85,7.82) 25.92,7.79 arc(25.99,7.76) 26.02,7.69 26.02,6.49 arc(26,6.44) 25.95,6.41 arc(25.89,6.39) 25.87,6.34 25.87,6.19 arc(25.89,6.14) 25.95,6.11 arc(26,6.09) 26.02,6.04 25.71,5.73 arc(25.67,5.62) 25.71,5.52 25.85,5.38 arc(25.89,5.27) 25.85,5.16 arc(25.74,5.12) 25.64,5.16 25.14,5.66 arc(25.04,5.7) 24.93,5.66 arc(24.89,5.55) 24.93,5.45 25.36,5.02 arc(25.4,4.92) 25.36,4.81 arc(25.25,4.77) 25.14,4.81 24.72,5.23 arc(24.61,5.28) 24.51,5.23 arc(24.46,5.13) 24.51,5.02 24.93,4.6 arc(24.98,4.49) 24.93,4.39 arc(24.83,4.34) 24.72,4.39 24.29,4.81 arc(24.19,4.85) 24.08,4.81 arc(24.04,4.7) 24.08,4.6 24.51,4.17 arc(24.55,4.07) 24.51,3.96 arc(24.4,3.92) 24.29,3.96 23.87,4.39 arc(23.76,4.43) 23.66,4.39 arc(23.61,4.28) 23.66,4.17 23.8,4.03 arc(23.84,3.93) 23.8,3.82 J2.4
SWO: length 37.6
  Top w0.15: IC2.133 33.64,26.81 v1(34.61,25.85) ; IC11.4 27.52,5.1 27.82,4.8 27.82,4.5 27.22,3.9 26.42,3.9 J2.8
  In3.Cu w0.15: v1(31.07,4.15) 31.07,4.71 35.07,8.71 35.07,21.93 34.61,22.39 v1(34.61,25.85)
  In5.Cu w0.15: J2.8 26.67,4.15 v1(31.07,4.15)
UART1_RX: length 22.7
  Top w0.15: J2.13 31.54,3.94 31.54,5.11 30.56,6.1 IC12.3 30.07,6.38 29.15,7.3 25.56,7.3 v1(25.51,7.25) ; IC2.102 25.4,14.68 v1(26.22,15.5)
  In3.Cu w0.15: v1(25.51,7.25) 25.52,7.26 25.52,12.1 26.22,12.8 v1(26.22,15.5)
UART1_TX: length 32.2
  Top w0.15: IC2.136 31.7,28.31 v1(31.92,28.54) ; J2.14 30.32,3.99 30.32,4.85 IC12.1
  In3.Cu w0.15: v1(31.92,28.54) 34.17,26.29 34.17,26.05 34.16,26.03 34.16,11.87 29.5,7.22 J2.14
UART2_RX: length 11.7
  Top w0.15: v1(36.07,18.99) 33.06,22 32.19,22 31.51,21.31 IC2.122
  Bottom w0.15: v1(36.07,18.99) 36.02,18.94 36.02,18.64 35.97,18.59 35.97,18.21 36.02,18.16 36.02,17.3 35.32,16.6 J1.12
UART2_TX: length 10.7
  Top w0.15: IC2.119 31.38,19.81 31.68,19.52 33.8,19.52 35.39,17.93 36.26,17.93 v1(36.47,17.72)
  Bottom w0.15: v1(36.47,17.72) 36.47,17.32 35.4,16.25 33.62,16.25 J1.10
USB+: length 10.3
  Top w0.155: IC13.4 19.2,9.3 19.27,9.37 19.27,10.07 19.56,10.36 24.88,10.36 26.33,11.81 26.33,12.75 IC2.104
USB-: length 9
  Top w0.155: IC2.103 25.83,12.82 25.83,11.81 24.73,10.71 19.41,10.71 19,10.3 IC13.6
USB_ESD+: length 5.8
  Top w0.155: IC13.3 16.39,9.3 15.38,8.29 15.38,8.03 15.45,7.95 J7.B6 15.45,6.31 15.38,6.24 14.52,6.24 14.45,6.31 J7.A6
USB_ESD-: length 6.2
  Top w0.155: IC13.1 16.19,10.3 16.12,10.23 16.12,9.53 15.02,8.43 15.02,8.03 14.95,7.95 ; J7.A7 14.95,7.95 ; 14.95,7.95 14.03,7.95 13.95,7.87 J7.B7
VCORE: length 53.7
  Top w0.3: IC2.106 27.4,11.18 C10.1 27.3,11.23 v1(26.92,11.61) ; IC2.71 7.57,15.31 C9.1 7.35,15.53 v1(7.16,15.53)
  Bottom w0.3: JP1.2 30.1,19.32 32.72,16.7 32.72,13.6 29.85,13.6 27.86,11.61 v1(26.92,11.61) 25.13,13.4 16.52,13.4 15.19,14.73 7.97,14.73 v1(7.16,15.53)
VCORE_ADJ_VSEL: length 17.8
  Top w0.15: v1(27.85,33.27) 27.9,33.31 IC2.2 ; TP12.1 38.25,37.77 35.4,37.77 34.89,38.28 31.8,38.28 30.72,37.2 v1(29.82,37.2)
  In5.Cu w0.15: v1(29.82,37.2) 28.02,37.2 27.85,37.03 v1(27.85,33.27)
  Bottom w0.15: IC9.B2 29.42,37.6 v1(29.82,37.2)
Net-(IC4-REGOUT): length 1.2
  Bottom w0.2: C3.1 19.8,17.4 IC4.10
Net-(IC8-FB): length 2.4
  Bottom w0.22: IC8.2 10.8,12.37 R8.1 10.69,13.57 R7.2
Net-(IC9-SW): length 2.1
  Bottom w0.15: IC9.C1 28.27,37.95 28.22,38
  Bottom w0.3: 27.45,37.32 L1.1 27.55,37.32 28.22,38
Net-(IC9-VOS): length 17.7
  Top w0.15: v1(35.82,38.4) 36.32,38.9 TP10.1
  Bottom w0.15: JP1.1 30.1,35.98 32.52,38.4 v1(35.82,38.4)
  Bottom w0.3: JP1.1 28.55,35.15 C31.1 27.32,35.7 26.42,36.6 26.42,38.1 L1.2 28.15,38.9 28.7,38.35
Net-(IC10-FB): length 2.3
  Bottom w0.22: R9.2 14.79,13.56 R10.1 14.75,12.44 IC10.2
Net-(J7-CC1): length 1.7
  Top w0.22: R5.2 13.36,7.18 J7.A5
Net-(J7-CC2): length 7.7
  Top w0.22: J7.B5 16.45,6.19 16.67,5.97 16.67,5.2 17.07,4.8 20.12,4.8 20.62,5.3 R6.2
Net-(JP2-A): length 2
  Top w0.3: JP2.1 11.99,37.6 R18.2

## Copper pours and planes (outline as drawn; the poured copper is in the pictures)
+1V8 on In2.Cu: 40,0 40,40 0,40 0,0
+3.3V on In6.Cu: 34.82,33.3 40.02,33.3 40.02,5.3 0.02,5.3 0.02,33.2 4.82,33.2 4.82,11.3 34.92,11.5
GND on Top, Bottom, In1.Cu, In3.Cu, In4.Cu, In5.Cu, In6.Cu: 40,0 0,0 0,40 40,40
VBUS on Bottom: 8.27,9.4 17.52,9.4 17.52,7 8.27,7

## Text on the board
B.Silkscreen: 1.8v | 3.3v | Designed By: / Kieran Shanley
User.Comments: Layer    Stackup / -------- ---------- / F.cu     Signal / in1.cu   GND / in2.cu   1.8v / in3.cu   Signal (Pref Vertical) / in4.cu   GND / in5.cu   Signal (Pref Horizontal) / in6.cu   GND/3.3v / B.cu     Signal / JLC08101H-3313(Standard)
F.Silkscreen: OBC-Flight Rev0
